# KiCad board demomatrix.kicad_pcb (continued)
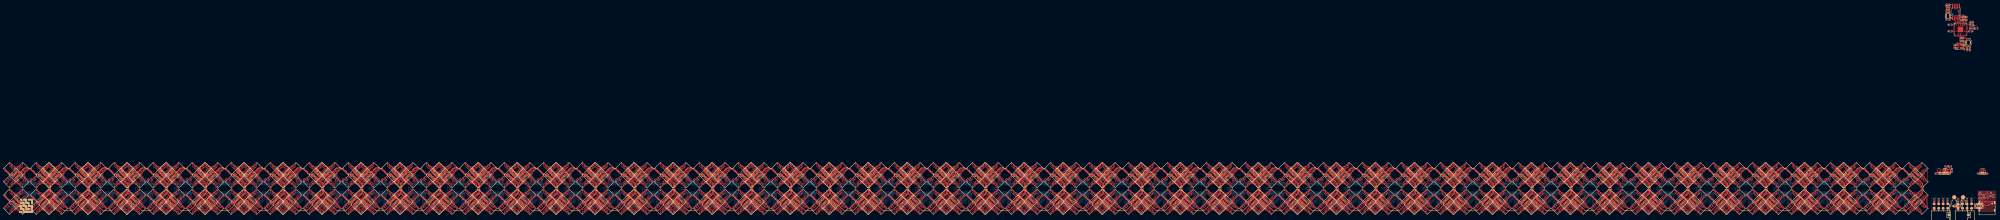
[diagram p0: board, top side]
## Routing (per net, layer and track width the routed paths; a pad name or vN(x,y) marks a point on that pad's centre or on a via; arc(x,y) is an arc through that point) (continued)
rgbs[1]-anodes-anode-611: length 1.7
  Top w0.2: LED705.7 -244.42,24.72 -242.96,24.72 LED706.8
rgbs[1]-anodes-anode-612: length 9.3
  Top w0.2: LED710.4 -226.06,26.21 -226.06,25.22 -227.54,23.74 -227.79,23.74 -228.37,24.32 -229.01,24.32 -229.59,23.74 -229.84,23.74 -231.33,25.22 -231.33,26.2 LED709.3
rgbs[1]-anodes-anode-613: length 12.6
  Top w0.2: LED710.2 -225.21,27.06 -225.21,25.49 -227.37,23.34 -227.95,23.34 -228.53,23.92 -228.84,23.92 -229.43,23.34 -230.01,23.34 -232.17,25.5 -232.17,27.06 LED709.1
rgbs[1]-anodes-anode-614: length 4
  Top w0.2: LED709.5 -230.47,25.57 -229.27,25.57 -228.82,25.12 -228.56,25.12 -228.12,25.56 -227.1,25.56 LED710.6
rgbs[1]-anodes-anode-615: length 1.7
  Top w0.2: LED709.7 -229.42,24.72 -227.96,24.72 LED710.8
rgbs[1]-anodes-anode-616: length 9.3
  Top w0.2: LED714.4 -241.06,11.21 -241.06,10.22 -242.54,8.74 -242.79,8.74 -243.37,9.32 -244.01,9.32 -244.59,8.74 -244.84,8.74 -246.33,10.22 -246.33,11.2 LED713.3
rgbs[1]-anodes-anode-617: length 12.6
  Top w0.2: LED713.1 -247.17,12.06 -247.17,10.5 -245.01,8.34 -244.43,8.34 -243.84,8.92 -243.53,8.92 -242.95,8.34 -242.37,8.34 -240.21,10.49 -240.21,12.06 LED714.2
rgbs[1]-anodes-anode-618: length 4
  Top w0.2: LED713.5 -245.47,10.57 -244.27,10.57 -243.82,10.12 -243.56,10.12 -243.12,10.56 -242.1,10.56 LED714.6
rgbs[1]-anodes-anode-619: length 1.7
  Top w0.2: LED714.8 -242.96,9.72 -244.42,9.72 LED713.7
rgbs[1]-anodes-anode-620: length 9.3
  Top w0.2: LED717.3 -231.33,11.2 -231.33,10.22 -229.84,8.74 -229.59,8.74 -229.01,9.32 -228.37,9.32 -227.79,8.74 -227.54,8.74 -226.06,10.22 -226.06,11.21 LED718.4
rgbs[1]-anodes-anode-621: length 12.6
  Top w0.2: LED718.2 -225.21,12.06 -225.21,10.49 -227.37,8.34 -227.95,8.34 -228.53,8.92 -228.84,8.92 -229.43,8.34 -230.01,8.34 -232.17,10.5 -232.17,12.06 LED717.1
rgbs[1]-anodes-anode-622: length 4
  Top w0.2: LED718.6 -227.1,10.56 -228.12,10.56 -228.56,10.12 -228.82,10.12 -229.27,10.57 -230.47,10.57 LED717.5
rgbs[1]-anodes-anode-623: length 1.7
  Top w0.2: LED718.8 -227.96,9.72 -229.42,9.72 LED717.7
rgbs[1]-anodes-anode-624: length 9.3
  Top w0.2: LED722.4 -219.06,26.21 -219.06,25.22 -220.54,23.74 -220.79,23.74 -221.37,24.32 -222.01,24.32 -222.59,23.74 -222.84,23.74 -224.33,25.22 -224.33,26.2 LED721.3
rgbs[1]-anodes-anode-625: length 12.6
  Top w0.2: LED722.2 -218.21,27.06 -218.21,25.49 -220.37,23.34 -220.95,23.34 -221.53,23.92 -221.84,23.92 -222.43,23.34 -223.01,23.34 -225.17,25.5 -225.17,27.06 LED721.1
rgbs[1]-anodes-anode-626: length 4
  Top w0.2: LED722.6 -220.1,25.56 -221.12,25.56 -221.56,25.12 -221.82,25.12 -222.27,25.57 -223.47,25.57 LED721.5
rgbs[1]-anodes-anode-627: length 1.7
  Top w0.2: LED722.8 -220.96,24.72 -222.42,24.72 LED721.7
rgbs[1]-anodes-anode-628: length 9.3
  Top w0.2: LED725.3 -209.33,26.2 -209.33,25.22 -207.84,23.74 -207.59,23.74 -207.01,24.32 -206.37,24.32 -205.79,23.74 -205.54,23.74 -204.06,25.22 -204.06,26.21 LED726.4
rgbs[1]-anodes-anode-629: length 12.6
  Top w0.2: LED725.1 -210.17,27.06 -210.17,25.5 -208.01,23.34 -207.43,23.34 -206.84,23.92 -206.53,23.92 -205.95,23.34 -205.37,23.34 -203.21,25.49 -203.21,27.06 LED726.2
rgbs[1]-anodes-anode-630: length 4
  Top w0.2: LED726.6 -205.1,25.56 -206.12,25.56 -206.56,25.12 -206.82,25.12 -207.27,25.57 -208.47,25.57 LED725.5
rgbs[1]-anodes-anode-631: length 1.7
  Top w0.2: LED725.7 -207.42,24.72 -205.96,24.72 LED726.8
rgbs[1]-anodes-anode-632: length 9.3
  Top w0.2: LED730.4 -219.06,11.21 -219.06,10.22 -220.54,8.74 -220.79,8.74 -221.37,9.32 -222.01,9.32 -222.59,8.74 -222.84,8.74 -224.33,10.22 -224.33,11.2 LED729.3
rgbs[1]-anodes-anode-633: length 12.6
  Top w0.2: LED729.1 -225.17,12.06 -225.17,10.5 -223.01,8.34 -222.43,8.34 -221.84,8.92 -221.53,8.92 -220.95,8.34 -220.37,8.34 -218.21,10.49 -218.21,12.06 LED730.2
rgbs[1]-anodes-anode-634: length 4
  Top w0.2: LED730.6 -220.1,10.56 -221.12,10.56 -221.56,10.12 -221.82,10.12 -222.27,10.57 -223.47,10.57 LED729.5
rgbs[1]-anodes-anode-635: length 1.7
  Top w0.2: LED730.8 -220.96,9.72 -222.42,9.72 LED729.7
rgbs[1]-anodes-anode-636: length 9.3
  Top w0.2: LED733.3 -209.33,11.2 -209.33,10.22 -207.84,8.74 -207.59,8.74 -207.01,9.32 -206.37,9.32 -205.79,8.74 -205.54,8.74 -204.06,10.22 -204.06,11.21 LED734.4
rgbs[1]-anodes-anode-637: length 12.6
  Top w0.2: LED734.2 -203.21,12.06 -203.21,10.49 -205.37,8.34 -205.95,8.34 -206.53,8.92 -206.84,8.92 -207.43,8.34 -208.01,8.34 -210.17,10.5 -210.17,12.06 LED733.1
rgbs[1]-anodes-anode-638: length 4
  Top w0.2: LED733.5 -208.47,10.57 -207.27,10.57 -206.82,10.12 -206.56,10.12 -206.12,10.56 -205.1,10.56 LED734.6
rgbs[1]-anodes-anode-639: length 1.7
  Top w0.2: LED734.8 -205.96,9.72 -207.42,9.72 LED733.7
rgbs[1]-anodes-anode-640: length 9.3
  Top w0.2: LED738.4 -197.06,26.21 -197.06,25.22 -198.54,23.74 -198.79,23.74 -199.37,24.32 -200.01,24.32 -200.59,23.74 -200.84,23.74 -202.33,25.22 -202.33,26.2 LED737.3
rgbs[1]-anodes-anode-641: length 12.6
  Top w0.2: LED737.1 -203.17,27.06 -203.17,25.5 -201.01,23.34 -200.43,23.34 -199.84,23.92 -199.53,23.92 -198.95,23.34 -198.37,23.34 -196.21,25.49 -196.21,27.06 LED738.2
rgbs[1]-anodes-anode-642: length 4
  Top w0.2: LED738.6 -198.1,25.56 -199.12,25.56 -199.56,25.12 -199.82,25.12 -200.27,25.57 -201.47,25.57 LED737.5
rgbs[1]-anodes-anode-643: length 1.7
  Top w0.2: LED738.8 -198.96,24.72 -200.42,24.72 LED737.7
rgbs[1]-anodes-anode-644: length 9.3
  Top w0.2: LED742.4 -182.06,26.21 -182.06,25.22 -183.54,23.74 -183.79,23.74 -184.37,24.32 -185.01,24.32 -185.59,23.74 -185.84,23.74 -187.33,25.22 -187.33,26.2 LED741.3
rgbs[1]-anodes-anode-645: length 12.6
  Top w0.2: LED741.1 -188.17,27.06 -188.17,25.5 -186.01,23.34 -185.43,23.34 -184.84,23.92 -184.53,23.92 -183.95,23.34 -183.37,23.34 -181.21,25.49 -181.21,27.06 LED742.2
rgbs[1]-anodes-anode-646: length 4
  Top w0.2: LED741.5 -186.47,25.57 -185.27,25.57 -184.82,25.12 -184.56,25.12 -184.12,25.56 -183.1,25.56 LED742.6
rgbs[1]-anodes-anode-647: length 1.7
  Top w0.2: LED742.8 -183.96,24.72 -185.42,24.72 LED741.7
rgbs[1]-anodes-anode-648: length 9.3
  Top w0.2: LED746.4 -197.06,11.21 -197.06,10.22 -198.54,8.74 -198.79,8.74 -199.37,9.32 -200.01,9.32 -200.59,8.74 -200.84,8.74 -202.33,10.22 -202.33,11.2 LED745.3
rgbs[1]-anodes-anode-649: length 12.6
  Top w0.2: LED746.2 -196.21,12.06 -196.21,10.49 -198.37,8.34 -198.95,8.34 -199.53,8.92 -199.84,8.92 -200.43,8.34 -201.01,8.34 -203.17,10.5 -203.17,12.06 LED745.1
rgbs[1]-anodes-anode-650: length 4
  Top w0.2: LED746.6 -198.1,10.56 -199.12,10.56 -199.56,10.12 -199.82,10.12 -200.27,10.57 -201.47,10.57 LED745.5
rgbs[1]-anodes-anode-651: length 1.7
  Top w0.2: LED745.7 -200.42,9.72 -198.96,9.72 LED746.8
rgbs[1]-anodes-anode-652: length 9.3
  Top w0.2: LED749.3 -187.33,11.2 -187.33,10.22 -185.84,8.74 -185.59,8.74 -185.01,9.32 -184.37,9.32 -183.79,8.74 -183.54,8.74 -182.06,10.22 -182.06,11.21 LED750.4
rgbs[1]-anodes-anode-653: length 12.6
  Top w0.2: LED750.2 -181.21,12.06 -181.21,10.49 -183.37,8.34 -183.95,8.34 -184.53,8.92 -184.84,8.92 -185.43,8.34 -186.01,8.34 -188.17,10.5 -188.17,12.06 LED749.1
rgbs[1]-anodes-anode-654: length 4
  Top w0.2: LED750.6 -183.1,10.56 -184.12,10.56 -184.56,10.12 -184.82,10.12 -185.27,10.57 -186.47,10.57 LED749.5
rgbs[1]-anodes-anode-655: length 1.7
  Top w0.2: LED750.8 -183.96,9.72 -185.42,9.72 LED749.7
rgbs[1]-anodes-anode-656: length 9.3
  Top w0.2: LED753.3 -180.33,26.2 -180.33,25.22 -178.84,23.74 -178.59,23.74 -178.01,24.32 -177.37,24.32 -176.79,23.74 -176.54,23.74 -175.06,25.22 -175.06,26.21 LED754.4
rgbs[1]-anodes-anode-657: length 12.6
  Top w0.2: LED753.1 -181.17,27.06 -181.17,25.5 -179.01,23.34 -178.43,23.34 -177.84,23.92 -177.53,23.92 -176.95,23.34 -176.37,23.34 -174.21,25.49 -174.21,27.06 LED754.2
rgbs[1]-anodes-anode-658: length 4
  Top w0.2: LED754.6 -176.1,25.56 -177.12,25.56 -177.56,25.12 -177.82,25.12 -178.27,25.57 -179.47,25.57 LED753.5
rgbs[1]-anodes-anode-659: length 1.7
  Top w0.2: LED753.7 -178.42,24.72 -176.96,24.72 LED754.8
rgbs[1]-anodes-anode-660: length 9.3
  Top w0.2: LED758.4 -160.06,26.21 -160.06,25.22 -161.54,23.74 -161.79,23.74 -162.37,24.32 -163.01,24.32 -163.59,23.74 -163.84,23.74 -165.33,25.22 -165.33,26.2 LED757.3
rgbs[1]-anodes-anode-661: length 12.6
  Top w0.2: LED757.1 -166.17,27.06 -166.17,25.5 -164.01,23.34 -163.43,23.34 -162.84,23.92 -162.53,23.92 -161.95,23.34 -161.37,23.34 -159.21,25.49 -159.21,27.06 LED758.2
rgbs[1]-anodes-anode-662: length 4
  Top w0.2: LED758.6 -161.1,25.56 -162.12,25.56 -162.56,25.12 -162.82,25.12 -163.27,25.57 -164.47,25.57 LED757.5
rgbs[1]-anodes-anode-663: length 1.7
  Top w0.2: LED757.7 -163.42,24.72 -161.96,24.72 LED758.8
rgbs[1]-anodes-anode-664: length 9.3
  Top w0.2: LED762.4 -175.06,11.21 -175.06,10.22 -176.54,8.74 -176.79,8.74 -177.37,9.32 -178.01,9.32 -178.59,8.74 -178.84,8.74 -180.33,10.22 -180.33,11.2 LED761.3
rgbs[1]-anodes-anode-665: length 12.6
  Top w0.2: LED762.2 -174.21,12.06 -174.21,10.49 -176.37,8.34 -176.95,8.34 -177.53,8.92 -177.84,8.92 -178.43,8.34 -179.01,8.34 -181.17,10.5 -181.17,12.06 LED761.1
rgbs[1]-anodes-anode-666: length 4
  Top w0.2: LED761.5 -179.47,10.57 -178.27,10.57 -177.82,10.12 -177.56,10.12 -177.12,10.56 -176.1,10.56 LED762.6
rgbs[1]-anodes-anode-667: length 1.7
  Top w0.2: LED761.7 -178.42,9.72 -176.96,9.72 LED762.8
rgbs[1]-anodes-anode-668: length 9.3
  Top w0.2: LED766.4 -160.06,11.21 -160.06,10.22 -161.54,8.74 -161.79,8.74 -162.37,9.32 -163.01,9.32 -163.59,8.74 -163.84,8.74 -165.33,10.22 -165.33,11.2 LED765.3
rgbs[1]-anodes-anode-669: length 12.6
  Top w0.2: LED766.2 -159.21,12.06 -159.21,10.49 -161.37,8.34 -161.95,8.34 -162.53,8.92 -162.84,8.92 -163.43,8.34 -164.01,8.34 -166.17,10.5 -166.17,12.06 LED765.1
rgbs[1]-anodes-anode-670: length 4
  Top w0.2: LED765.5 -164.47,10.57 -163.27,10.57 -162.82,10.12 -162.56,10.12 -162.12,10.56 -161.1,10.56 LED766.6
rgbs[1]-anodes-anode-671: length 1.7
  Top w0.2: LED766.8 -161.96,9.72 -163.42,9.72 LED765.7
rgbs[1]-anodes-anode-672: length 9.3
  Top w0.2: LED770.4 -153.06,26.21 -153.06,25.22 -154.54,23.74 -154.79,23.74 -155.37,24.32 -156.01,24.32 -156.59,23.74 -156.84,23.74 -158.33,25.22 -158.33,26.2 LED769.3
rgbs[1]-anodes-anode-673: length 12.6
  Top w0.2: LED770.2 -152.21,27.06 -152.21,25.49 -154.37,23.34 -154.95,23.34 -155.53,23.92 -155.84,23.92 -156.43,23.34 -157.01,23.34 -159.17,25.5 -159.17,27.06 LED769.1
rgbs[1]-anodes-anode-674: length 4
  Top w0.2: LED769.5 -157.47,25.57 -156.27,25.57 -155.82,25.12 -155.56,25.12 -155.12,25.56 -154.1,25.56 LED770.6
rgbs[1]-anodes-anode-675: length 1.7
  Top w0.2: LED770.8 -154.96,24.72 -156.42,24.72 LED769.7
rgbs[1]-anodes-anode-676: length 9.3
  Top w0.2: LED774.4 -138.06,26.21 -138.06,25.22 -139.54,23.74 -139.79,23.74 -140.37,24.32 -141.01,24.32 -141.59,23.74 -141.84,23.74 -143.33,25.22 -143.33,26.2 LED773.3
rgbs[1]-anodes-anode-677: length 12.6
  Top w0.2: LED774.2 -137.21,27.06 -137.21,25.49 -139.37,23.34 -139.95,23.34 -140.53,23.92 -140.84,23.92 -141.43,23.34 -142.01,23.34 -144.17,25.5 -144.17,27.06 LED773.1
rgbs[1]-anodes-anode-678: length 4
  Top w0.2: LED773.5 -142.47,25.57 -141.27,25.57 -140.82,25.12 -140.56,25.12 -140.12,25.56 -139.1,25.56 LED774.6
rgbs[1]-anodes-anode-679: length 1.7
  Top w0.2: LED774.8 -139.96,24.72 -141.42,24.72 LED773.7
rgbs[1]-anodes-anode-680: length 9.3
  Top w0.2: LED778.4 -153.06,11.21 -153.06,10.22 -154.54,8.74 -154.79,8.74 -155.37,9.32 -156.01,9.32 -156.59,8.74 -156.84,8.74 -158.33,10.22 -158.33,11.2 LED777.3
rgbs[1]-anodes-anode-681: length 12.6
  Top w0.2: LED777.1 -159.17,12.06 -159.17,10.5 -157.01,8.34 -156.43,8.34 -155.84,8.92 -155.53,8.92 -154.95,8.34 -154.37,8.34 -152.21,10.49 -152.21,12.06 LED778.2
rgbs[1]-anodes-anode-682: length 4
  Top w0.2: LED778.6 -154.1,10.56 -155.12,10.56 -155.56,10.12 -155.82,10.12 -156.27,10.57 -157.47,10.57 LED777.5
rgbs[1]-anodes-anode-683: length 1.7
  Top w0.2: LED777.7 -156.42,9.72 -154.96,9.72 LED778.8
rgbs[1]-anodes-anode-684: length 9.3
  Top w0.2: LED782.4 -138.06,11.21 -138.06,10.22 -139.54,8.74 -139.79,8.74 -140.37,9.32 -141.01,9.32 -141.59,8.74 -141.84,8.74 -143.33,10.22 -143.33,11.2 LED781.3
rgbs[1]-anodes-anode-685: length 12.6
  Top w0.2: LED782.2 -137.21,12.06 -137.21,10.49 -139.37,8.34 -139.95,8.34 -140.53,8.92 -140.84,8.92 -141.43,8.34 -142.01,8.34 -144.17,10.5 -144.17,12.06 LED781.1
rgbs[1]-anodes-anode-686: length 4
  Top w0.2: LED782.6 -139.1,10.56 -140.12,10.56 -140.56,10.12 -140.82,10.12 -141.27,10.57 -142.47,10.57 LED781.5
rgbs[1]-anodes-anode-687: length 1.7
  Top w0.2: LED782.8 -139.96,9.72 -141.42,9.72 LED781.7
rgbs[1]-anodes-anode-688: length 9.3
  Top w0.2: LED65.3 -136.33,26.2 -136.33,25.22 -134.84,23.74 -134.59,23.74 -134.01,24.32 -133.37,24.32 -132.79,23.74 -132.54,23.74 -131.06,25.22 -131.06,26.21 LED66.4
rgbs[1]-anodes-anode-689: length 12.6
  Top w0.2: LED65.1 -137.17,27.06 -137.17,25.5 -135.01,23.34 -134.43,23.34 -133.84,23.92 -133.53,23.92 -132.95,23.34 -132.37,23.34 -130.21,25.49 -130.21,27.06 LED66.2
rgbs[1]-anodes-anode-690: length 4
  Top w0.2: LED65.5 -135.47,25.57 -134.27,25.57 -133.82,25.12 -133.56,25.12 -133.12,25.56 -132.1,25.56 LED66.6
rgbs[1]-anodes-anode-691: length 1.7
  Top w0.2: LED65.7 -134.42,24.72 -132.96,24.72 LED66.8
rgbs[1]-anodes-anode-692: length 9.3
  Top w0.2: LED69.3 -121.33,26.2 -121.33,25.22 -119.84,23.74 -119.59,23.74 -119.01,24.32 -118.37,24.32 -117.79,23.74 -117.54,23.74 -116.06,25.22 -116.06,26.21 LED70.4
rgbs[1]-anodes-anode-693: length 12.6
  Top w0.2: LED69.1 -122.17,27.06 -122.17,25.5 -120.01,23.34 -119.43,23.34 -118.84,23.92 -118.53,23.92 -117.95,23.34 -117.37,23.34 -115.21,25.49 -115.21,27.06 LED70.2
rgbs[1]-anodes-anode-694: length 4
  Top w0.2: LED69.5 -120.47,25.57 -119.27,25.57 -118.82,25.12 -118.56,25.12 -118.12,25.56 -117.1,25.56 LED70.6
rgbs[1]-anodes-anode-695: length 1.7
  Top w0.2: LED70.8 -117.96,24.72 -119.42,24.72 LED69.7
rgbs[1]-anodes-anode-696: length 9.3
  Top w0.2: LED73.3 -136.33,11.2 -136.33,10.22 -134.84,8.74 -134.59,8.74 -134.01,9.32 -133.37,9.32 -132.79,8.74 -132.54,8.74 -131.06,10.22 -131.06,11.21 LED74.4
rgbs[1]-anodes-anode-697: length 12.6
  Top w0.2: LED73.1 -137.17,12.06 -137.17,10.5 -135.01,8.34 -134.43,8.34 -133.84,8.92 -133.53,8.92 -132.95,8.34 -132.37,8.34 -130.21,10.49 -130.21,12.06 LED74.2
rgbs[1]-anodes-anode-698: length 4
  Top w0.2: LED74.6 -132.1,10.56 -133.12,10.56 -133.56,10.12 -133.82,10.12 -134.27,10.57 -135.47,10.57 LED73.5
rgbs[1]-anodes-anode-699: length 1.7
  Top w0.2: LED73.7 -134.42,9.72 -132.96,9.72 LED74.8
rgbs[1]-anodes-anode-700: length 9.3
  Top w0.2: LED78.4 -116.06,11.21 -116.06,10.22 -117.54,8.74 -117.79,8.74 -118.37,9.32 -119.01,9.32 -119.59,8.74 -119.84,8.74 -121.33,10.22 -121.33,11.2 LED77.3
rgbs[1]-anodes-anode-701: length 12.6
  Top w0.2: LED78.2 -115.21,12.06 -115.21,10.49 -117.37,8.34 -117.95,8.34 -118.53,8.92 -118.84,8.92 -119.43,8.34 -120.01,8.34 -122.17,10.5 -122.17,12.06 LED77.1
rgbs[1]-anodes-anode-702: length 4
  Top w0.2: LED77.5 -120.47,10.57 -119.27,10.57 -118.82,10.12 -118.56,10.12 -118.12,10.56 -117.1,10.56 LED78.6
rgbs[1]-anodes-anode-703: length 1.7
  Top w0.2: LED78.8 -117.96,9.72 -119.42,9.72 LED77.7
rgbs[1]-anodes-anode-704: length 9.3
  Top w0.2: LED82.4 -109.06,26.21 -109.06,25.22 -110.54,23.74 -110.79,23.74 -111.37,24.32 -112.01,24.32 -112.59,23.74 -112.84,23.74 -114.33,25.22 -114.33,26.2 LED81.3
rgbs[1]-anodes-anode-705: length 12.6
  Top w0.2: LED81.1 -115.17,27.06 -115.17,25.5 -113.01,23.34 -112.43,23.34 -111.84,23.92 -111.53,23.92 -110.95,23.34 -110.37,23.34 -108.21,25.49 -108.21,27.06 LED82.2
rgbs[1]-anodes-anode-706: length 4
  Top w0.2: LED82.6 -110.1,25.56 -111.12,25.56 -111.56,25.12 -111.82,25.12 -112.27,25.57 -113.47,25.57 LED81.5
rgbs[1]-anodes-anode-707: length 1.7
  Top w0.2: LED82.8 -110.96,24.72 -112.42,24.72 LED81.7
rgbs[1]-anodes-anode-708: length 9.3
  Top w0.2: LED85.3 -99.33,26.2 -99.33,25.22 -97.84,23.74 -97.59,23.74 -97.01,24.32 -96.37,24.32 -95.79,23.74 -95.54,23.74 -94.06,25.22 -94.06,26.21 LED86.4
rgbs[1]-anodes-anode-709: length 12.6
  Top w0.2: LED85.1 -100.17,27.06 -100.17,25.5 -98.01,23.34 -97.43,23.34 -96.84,23.92 -96.53,23.92 -95.95,23.34 -95.37,23.34 -93.21,25.49 -93.21,27.06 LED86.2
rgbs[1]-anodes-anode-710: length 4
  Top w0.2: LED86.6 -95.1,25.56 -96.12,25.56 -96.56,25.12 -96.82,25.12 -97.27,25.57 -98.47,25.57 LED85.5
rgbs[1]-anodes-anode-711: length 1.7
  Top w0.2: LED85.7 -97.42,24.72 -95.96,24.72 LED86.8
rgbs[1]-anodes-anode-712: length 9.3
  Top w0.2: LED90.4 -109.06,11.21 -109.06,10.22 -110.54,8.74 -110.79,8.74 -111.37,9.32 -112.01,9.32 -112.59,8.74 -112.84,8.74 -114.33,10.22 -114.33,11.2 LED89.3
rgbs[1]-anodes-anode-713: length 12.6
  Top w0.2: LED90.2 -108.21,12.06 -108.21,10.49 -110.37,8.34 -110.95,8.34 -111.53,8.92 -111.84,8.92 -112.43,8.34 -113.01,8.34 -115.17,10.5 -115.17,12.06 LED89.1
rgbs[1]-anodes-anode-714: length 4
  Top w0.2: LED89.5 -113.47,10.57 -112.27,10.57 -111.82,10.12 -111.56,10.12 -111.12,10.56 -110.1,10.56 LED90.6
rgbs[1]-anodes-anode-715: length 1.7
  Top w0.2: LED90.8 -110.96,9.72 -112.42,9.72 LED89.7
rgbs[1]-anodes-anode-716: length 9.3
  Top w0.2: LED93.3 -99.33,11.2 -99.33,10.22 -97.84,8.74 -97.59,8.74 -97.01,9.32 -96.37,9.32 -95.79,8.74 -95.54,8.74 -94.06,10.22 -94.06,11.21 LED94.4
rgbs[1]-anodes-anode-717: length 12.6
  Top w0.2: LED93.1 -100.17,12.06 -100.17,10.5 -98.01,8.34 -97.43,8.34 -96.84,8.92 -96.53,8.92 -95.95,8.34 -95.37,8.34 -93.21,10.49 -93.21,12.06 LED94.2
rgbs[1]-anodes-anode-718: length 4
  Top w0.2: LED94.6 -95.1,10.56 -96.12,10.56 -96.56,10.12 -96.82,10.12 -97.27,10.57 -98.47,10.57 LED93.5
rgbs[1]-anodes-anode-719: length 1.7
  Top w0.2: LED93.7 -97.42,9.72 -95.96,9.72 LED94.8
rgbs[1]-anodes-anode-720: length 9.3
  Top w0.2: LED98.4 -87.06,26.21 -87.06,25.22 -88.54,23.74 -88.79,23.74 -89.37,24.32 -90.01,24.32 -90.59,23.74 -90.84,23.74 -92.33,25.22 -92.33,26.2 LED97.3
rgbs[1]-anodes-anode-721: length 12.6
  Top w0.2: LED97.1 -93.17,27.06 -93.17,25.5 -91.01,23.34 -90.43,23.34 -89.84,23.92 -89.53,23.92 -88.95,23.34 -88.37,23.34 -86.21,25.49 -86.21,27.06 LED98.2
rgbs[1]-anodes-anode-722: length 4
  Top w0.2: LED97.5 -91.47,25.57 -90.27,25.57 -89.82,25.12 -89.56,25.12 -89.12,25.56 -88.1,25.56 LED98.6
rgbs[1]-anodes-anode-723: length 1.7
  Top w0.2: LED97.7 -90.42,24.72 -88.96,24.72 LED98.8
rgbs[1]-anodes-anode-724: length 9.3
  Top w0.2: LED101.3 -77.33,26.2 -77.33,25.22 -75.84,23.74 -75.59,23.74 -75.01,24.32 -74.37,24.32 -73.79,23.74 -73.54,23.74 -72.06,25.22 -72.06,26.21 LED102.4
rgbs[1]-anodes-anode-725: length 12.6
  Top w0.2: LED102.2 -71.21,27.06 -71.21,25.49 -73.37,23.34 -73.95,23.34 -74.53,23.92 -74.84,23.92 -75.43,23.34 -76.01,23.34 -78.17,25.5 -78.17,27.06 LED101.1
rgbs[1]-anodes-anode-726: length 4
  Top w0.2: LED101.5 -76.47,25.57 -75.27,25.57 -74.82,25.12 -74.56,25.12 -74.12,25.56 -73.1,25.56 LED102.6
rgbs[1]-anodes-anode-727: length 1.7
  Top w0.2: LED101.7 -75.42,24.72 -73.96,24.72 LED102.8
rgbs[1]-anodes-anode-728: length 9.3
  Top w0.2: LED105.3 -92.33,11.2 -92.33,10.22 -90.84,8.74 -90.59,8.74 -90.01,9.32 -89.37,9.32 -88.79,8.74 -88.54,8.74 -87.06,10.22 -87.06,11.21 LED106.4
rgbs[1]-anodes-anode-729: length 12.6
  Top w0.2: LED105.1 -93.17,12.06 -93.17,10.5 -91.01,8.34 -90.43,8.34 -89.84,8.92 -89.53,8.92 -88.95,8.34 -88.37,8.34 -86.21,10.49 -86.21,12.06 LED106.2
rgbs[1]-anodes-anode-730: length 4
  Top w0.2: LED106.6 -88.1,10.56 -89.12,10.56 -89.56,10.12 -89.82,10.12 -90.27,10.57 -91.47,10.57 LED105.5
rgbs[1]-anodes-anode-731: length 1.7
  Top w0.2: LED106.8 -88.96,9.72 -90.42,9.72 LED105.7
rgbs[1]-anodes-anode-732: length 9.3
  Top w0.2: LED110.4 -72.06,11.21 -72.06,10.22 -73.54,8.74 -73.79,8.74 -74.37,9.32 -75.01,9.32 -75.59,8.74 -75.84,8.74 -77.33,10.22 -77.33,11.2 LED109.3
rgbs[1]-anodes-anode-733: length 12.6
  Top w0.2: LED109.1 -78.17,12.06 -78.17,10.5 -76.01,8.34 -75.43,8.34 -74.84,8.92 -74.53,8.92 -73.95,8.34 -73.37,8.34 -71.21,10.49 -71.21,12.06 LED110.2
rgbs[1]-anodes-anode-734: length 4
  Top w0.2: LED109.5 -76.47,10.57 -75.27,10.57 -74.82,10.12 -74.56,10.12 -74.12,10.56 -73.1,10.56 LED110.6
rgbs[1]-anodes-anode-735: length 1.7
  Top w0.2: LED110.8 -73.96,9.72 -75.42,9.72 LED109.7
rgbs[1]-anodes-anode-736: length 9.3
  Top w0.2: LED114.4 -65.06,26.21 -65.06,25.22 -66.54,23.74 -66.79,23.74 -67.37,24.32 -68.01,24.32 -68.59,23.74 -68.84,23.74 -70.33,25.22 -70.33,26.2 LED113.3
rgbs[1]-anodes-anode-737: length 12.6
  Top w0.2: LED113.1 -71.17,27.06 -71.17,25.5 -69.01,23.34 -68.43,23.34 -67.84,23.92 -67.53,23.92 -66.95,23.34 -66.37,23.34 -64.21,25.49 -64.21,27.06 LED114.2
rgbs[1]-anodes-anode-738: length 4
  Top w0.2: LED113.5 -69.47,25.57 -68.27,25.57 -67.82,25.12 -67.56,25.12 -67.12,25.56 -66.1,25.56 LED114.6
rgbs[1]-anodes-anode-739: length 1.7
  Top w0.2: LED113.7 -68.42,24.72 -66.96,24.72 LED114.8
rgbs[1]-anodes-anode-740: length 9.3
  Top w0.2: LED118.4 -50.06,26.21 -50.06,25.22 -51.54,23.74 -51.79,23.74 -52.37,24.32 -53.01,24.32 -53.59,23.74 -53.84,23.74 -55.33,25.22 -55.33,26.2 LED117.3
rgbs[1]-anodes-anode-741: length 12.6
  Top w0.2: LED118.2 -49.21,27.06 -49.21,25.49 -51.37,23.34 -51.95,23.34 -52.53,23.92 -52.84,23.92 -53.43,23.34 -54.01,23.34 -56.17,25.5 -56.17,27.06 LED117.1
rgbs[1]-anodes-anode-742: length 4
  Top w0.2: LED117.5 -54.47,25.57 -53.27,25.57 -52.82,25.12 -52.56,25.12 -52.12,25.56 -51.1,25.56 LED118.6
rgbs[1]-anodes-anode-743: length 1.7
  Top w0.2: LED117.7 -53.42,24.72 -51.96,24.72 LED118.8
rgbs[1]-anodes-anode-744: length 9.3
  Top w0.2: LED121.3 -70.33,11.2 -70.33,10.22 -68.84,8.74 -68.59,8.74 -68.01,9.32 -67.37,9.32 -66.79,8.74 -66.54,8.74 -65.06,10.22 -65.06,11.21 LED122.4
rgbs[1]-anodes-anode-745: length 12.6
  Top w0.2: LED122.2 -64.21,12.06 -64.21,10.49 -66.37,8.34 -66.95,8.34 -67.53,8.92 -67.84,8.92 -68.43,8.34 -69.01,8.34 -71.17,10.5 -71.17,12.06 LED121.1
rgbs[1]-anodes-anode-746: length 4
  Top w0.2: LED121.5 -69.47,10.57 -68.27,10.57 -67.82,10.12 -67.56,10.12 -67.12,10.56 -66.1,10.56 LED122.6
rgbs[1]-anodes-anode-747: length 1.7
  Top w0.2: LED121.7 -68.42,9.72 -66.96,9.72 LED122.8
rgbs[1]-anodes-anode-748: length 9.3
  Top w0.2: LED126.4 -50.06,11.21 -50.06,10.22 -51.54,8.74 -51.79,8.74 -52.37,9.32 -53.01,9.32 -53.59,8.74 -53.84,8.74 -55.33,10.22 -55.33,11.2 LED125.3
rgbs[1]-anodes-anode-749: length 12.6
  Top w0.2: LED126.2 -49.21,12.06 -49.21,10.49 -51.37,8.34 -51.95,8.34 -52.53,8.92 -52.84,8.92 -53.43,8.34 -54.01,8.34 -56.17,10.5 -56.17,12.06 LED125.1
rgbs[1]-anodes-anode-750: length 4
  Top w0.2: LED125.5 -54.47,10.57 -53.27,10.57 -52.82,10.12 -52.56,10.12 -52.12,10.56 -51.1,10.56 LED126.6
rgbs[1]-anodes-anode-751: length 1.7
  Top w0.2: LED126.8 -51.96,9.72 -53.42,9.72 LED125.7
rgbs[1]-anodes-anode-752: length 9.3
  Top w0.2: LED129.3 -48.33,26.2 -48.33,25.22 -46.84,23.74 -46.59,23.74 -46.01,24.32 -45.37,24.32 -44.79,23.74 -44.54,23.74 -43.06,25.22 -43.06,26.21 LED130.4
rgbs[1]-anodes-anode-753: length 12.6
  Top w0.2: LED130.2 -42.21,27.06 -42.21,25.49 -44.37,23.34 -44.95,23.34 -45.53,23.92 -45.84,23.92 -46.43,23.34 -47.01,23.34 -49.17,25.5 -49.17,27.06 LED129.1
rgbs[1]-anodes-anode-754: length 4
  Top w0.2: LED130.6 -44.1,25.56 -45.12,25.56 -45.56,25.12 -45.82,25.12 -46.27,25.57 -47.47,25.57 LED129.5
rgbs[1]-anodes-anode-755: length 1.7
  Top w0.2: LED130.8 -44.96,24.72 -46.42,24.72 LED129.7
rgbs[1]-anodes-anode-756: length 9.3
  Top w0.2: LED133.3 -33.33,26.2 -33.33,25.22 -31.84,23.74 -31.59,23.74 -31.01,24.32 -30.37,24.32 -29.79,23.74 -29.54,23.74 -28.06,25.22 -28.06,26.21 LED134.4
rgbs[1]-anodes-anode-757: length 12.6
  Top w0.2: LED133.1 -34.17,27.06 -34.17,25.5 -32.01,23.34 -31.43,23.34 -30.84,23.92 -30.53,23.92 -29.95,23.34 -29.37,23.34 -27.21,25.49 -27.21,27.06 LED134.2
rgbs[1]-anodes-anode-758: length 4
  Top w0.2: LED133.5 -32.47,25.57 -31.27,25.57 -30.82,25.12 -30.56,25.12 -30.12,25.56 -29.1,25.56 LED134.6
rgbs[1]-anodes-anode-759: length 1.7
  Top w0.2: LED134.8 -29.96,24.72 -31.42,24.72 LED133.7
rgbs[1]-anodes-anode-760: length 9.3
  Top w0.2: LED137.3 -48.33,11.2 -48.33,10.22 -46.84,8.74 -46.59,8.74 -46.01,9.32 -45.37,9.32 -44.79,8.74 -44.54,8.74 -43.06,10.22 -43.06,11.21 LED138.4
rgbs[1]-anodes-anode-761: length 12.6
  Top w0.2: LED138.2 -42.21,12.06 -42.21,10.49 -44.37,8.34 -44.95,8.34 -45.53,8.92 -45.84,8.92 -46.43,8.34 -47.01,8.34 -49.17,10.5 -49.17,12.06 LED137.1
rgbs[1]-anodes-anode-762: length 4
  Top w0.2: LED138.6 -44.1,10.56 -45.12,10.56 -45.56,10.12 -45.82,10.12 -46.27,10.57 -47.47,10.57 LED137.5
rgbs[1]-anodes-anode-763: length 1.7
  Top w0.2: LED137.7 -46.42,9.72 -44.96,9.72 LED138.8
rgbs[1]-anodes-anode-764: length 9.3
  Top w0.2: LED141.3 -33.33,11.2 -33.33,10.22 -31.84,8.74 -31.59,8.74 -31.01,9.32 -30.37,9.32 -29.79,8.74 -29.54,8.74 -28.06,10.22 -28.06,11.21 LED142.4
rgbs[1]-anodes-anode-765: length 12.6
  Top w0.2: LED142.2 -27.21,12.06 -27.21,10.49 -29.37,8.34 -29.95,8.34 -30.53,8.92 -30.84,8.92 -31.43,8.34 -32.01,8.34 -34.17,10.5 -34.17,12.06 LED141.1
rgbs[1]-anodes-anode-766: length 4
  Top w0.2: LED141.5 -32.47,10.57 -31.27,10.57 -30.82,10.12 -30.56,10.12 -30.12,10.56 -29.1,10.56 LED142.6